# Allegro board GPS_INTERFACE_BOARD_v24_test_SFP_.brd (continued)
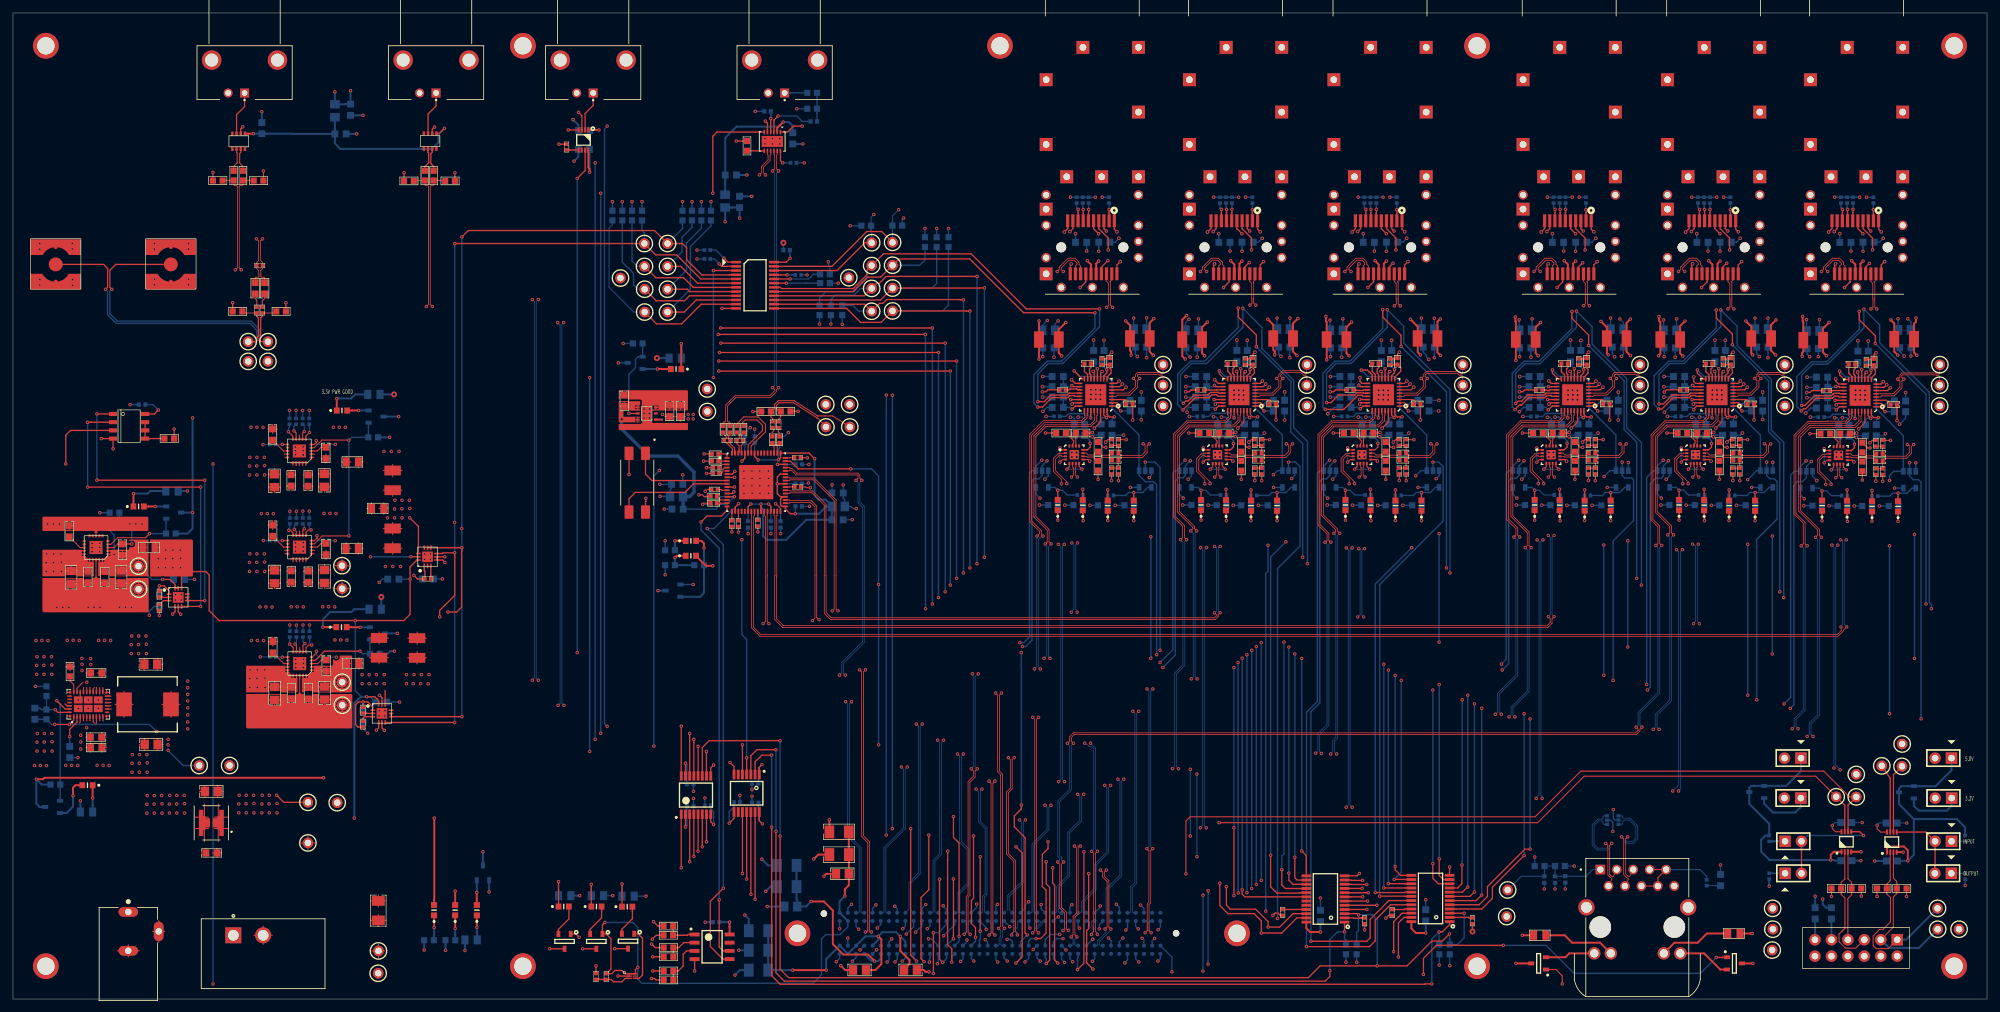
[diagram p0: board, top side]
## Routing (per net, layer and track width the routed paths; a pad name or vN(x,y) marks a point on that pad's centre or on a via; arc(x,y) is an arc through that point) (continued)
VREF_SFP INTERFACE_SFP6: length 2.9
  TOP w0.203: U43.3 171.77,92.65 171.89,92.53 C269.1
N00534: length 4.4
  BOTTOM w0.203: R2.2 R4.1 124.14,136.89 124.15,136.89 C1.1
N00638: length 3.2
  TOP w0.203: U1.4 v1(117,136.06)
  BOTTOM w0.203: v1(117,136.06) 117,136.6 117.01,136.61 C3.1
N01590: length 2.7
  TOP w0.203: R9.1 115.63,131.1 115.64,131.09 U1.7
N02344: length 3.7
  TOP w0.203: R11.1 64.97,128.67 64.52,129.12 64.52,130.66 64.74,130.87 U2.7
N02878: length 1.9
  TOP w0.203: IC1.5 86.01,131.22 86,131.22 R10.2
N89867: length 1.4
  TOP w0.165: R21.2 115.01,74.77 115.01,74.77 IC2.25
N89871: length 1.8
  TOP w0.165: IC2.4 109.86,82.13 109.61,81.88 109.61,81.48 109.39,81.25 R20.2
N89889: length 1.5
  TOP w0.165: R22.2 109.01,82.14 109.5,82.63 IC2.3
N89893: length 1.4
  TOP w0.165: IC2.48 119.89,83.63 119.92,83.67 R19.2
N90109: length 1.5
  TOP w0.165: R26.2 112.01,74.47 112.01,74.47 IC2.19
N90113: length 1.5
  TOP w0.165: R25.2 111,74.47 111.01,74.48 IC2.17
N90529: length 1.5
  TOP w0.165: R23.2 109.29,78.77 109.42,78.63 IC2.11
N91101: length 9.4
  TOP w0.165: IC2.59 113.51,85.65 115.72,87.86 115.72,88.65 114.87,89.5 113.04,89.5 112.68,89.13 112.68,88.9 112.85,88.72 C36.1
N91105: length 11
  TOP w0.165: IC2.58 113.97,84.42 113.97,85.45 116.19,87.67 116.19,88.84 115.06,89.97 112.85,89.97 111.79,88.9 C37.1
N107878: length 1.5
  TOP w0.165: IC2.39 119.87,79.13 119.88,79.15 R24.2
N127138: length 8.1
  TOP w0.203: v1(118.14,136.47) 117.52,135.86 117.52,135.84 117.5,135.82 U1.3
  BOTTOM w0.203: C1.2 121.87,135.64 121.03,136.47 v1(118.14,136.47)
N140138: length 9.8
  TOP w0.165: 15.11,46.3 15.1,46.32 U6.15 ; 15.77,45.54 L6.1 ; L6.1 17.16,43.51 ; L6.1 18.55,45.54 ; L6.1 17.16,47.57 ; U6.12 15.12,44.82 15.14,44.83 ; 15.11,46.81 15.11,46.82 U6.16 ; U6.14 15.11,45.82 15.11,45.82 ; U6.13 15.11,45.32 15.11,45.31
N146225: length 17.3
  TOP w0.165: 46.07,68.52 U9.1 46.5,68.85 ; 50.8,65.98 TP17.1 ; TP17.1 49.8,66.98 ; TP17.1 50.8,67.98 ; TP17.1 51.8,66.98 ; 51.42,68.77 R52.1 ; R52.1 50.7,69.65 ; R52.1 52.15,69.65 ; R52.1 51.42,70.53 ; C64.1 49.05,68.68 ; C64.1 48.34,67.98 ; C64.1 47.62,68.68 ; C64.1 48.34,69.38 ; 45.58,68.03 U9.20 45.25,67.6 ; C62.1 45.59,66.85 ; C62.1 46.31,66.14 ; C62.1 44.87,66.14 ; U9.19 44.75,67.6 44.75,67.59 ; C63.1 48.11,67.13 ; C63.1 47.18,66.3 ; C63.1 49.04,66.3 ; 46.53,69.32 46.5,69.35 U9.2
N146320: length 2.4
  TOP w0.17: v1(46.02,72.52) 46,72.49 45.6,72.49 45.25,72.14 U9.6
  BOTTOM w0.17: v1(46.02,72.52) 45.75,72.8 R63.1
N146332: length 1.9
  TOP w0.17: U9.11 v1(41.59,70.85)
  BOTTOM w0.17: R65.1 41.02,70.87 41.03,70.85 v1(41.59,70.85)
N146446: length 2.3
  TOP w0.17: v1(42.6,72.44) 42.86,72.44 43.25,72.06 U9.10
  BOTTOM w0.17: v1(42.6,72.44) 42.6,72.67 42.75,72.82 R64.1
N169083: length 3.9
  TOP w0.305: D11.1 v1(65.02,11.05)
  BOTTOM w0.305: v1(65.02,11.05) 65.02,9.88 64.99,9.85 R68.1
N169234: length 3.9
  TOP w0.305: D12.1 v1(68.28,10.9)
  BOTTOM w0.305: v1(68.28,10.9) 68.28,9.86 68.29,9.85 R69.1
N179430: length 1.7
  TOP w0.165: IC2.51 117.51,85.68 C34.1
N179442: length 1.8
  TOP w0.165: IC2.50 118.01,85.58 C35.1 118.36,85.99
N180853: length 1.5
  TOP w0.165: C34.2 117.25,87.6 117.45,87.81 117.45,88.2 R27.1
N180901: length 1.5
  TOP w0.165: R28.1 118.18,88.27 118.18,87.65 118.36,87.46 C35.2
N183488: length 98.4
  TOP w0.127: v1(37.6,117.49) 37.92,117.17 37.92,114.13 37.65,113.85 R5.1 37.65,112.87 37.95,112.57 37.95,111.89 37.97,111.87 37.97,111.69 37.84,111.56 37.52,111.56 37.39,111.44 C2.1 ; v1(115.25,127.37) 115.57,127.69 115.57,128.68 116.59,129.7 116.59,130.41 116.5,130.51 U1.8
  L5 w0.127: v1(115.25,127.37) 115.52,127.1 115.52,127.1 115.52,120.12 114,118.59 38.55,118.59 38,118.05 38,117.9 v1(37.6,117.49)
N183510: length 2.2
  TOP w0.165: R3.1 37.64,108 37.39,108.26 C2.2
N183546: length 2.2
  TOP w0.165: C4.2 38.86,108.26 38.51,107.9 R6.1
N185241: length 13.3
  TOP w0.165: C75.1 49.03,83.54 ; C75.1 47.59,83.54 ; C75.1 48.31,84.24 ; C75.1 48.31,82.84 ; 45.22,82.46 U11.20 45.55,82.89 ; 47.15,81.16 C73.1 ; C73.1 48.08,81.99 ; C73.1 49.01,81.16 ; C72.1 46.29,81 ; C72.1 45.57,81.71 ; C72.1 44.85,81 ; 44.73,82.45 44.72,82.46 U11.19 ; R54.2 52.18,83.01 ; R54.2 51.45,83.89 ; R54.2 51.45,82.13 ; R54.2 50.72,83.01 ; 46.04,83.38 U11.1 46.47,83.71 ; U11.2 46.47,84.21 46.51,84.18
N199881: length 4.9
  TOP w0.203: Q8.2 84.22,10.77 85.84,12.39 D9.2
N199921: length 6
  TOP w0.203: D9.1 v1(84.24,18.15)
  BOTTOM w0.203: v1(84.24,18.15) 84.24,16.91 84.24,16.91 R66.1
N224328: length 157.6
  TOP w0.203: U23.16 282.77,95.74 282.04,96.47 v1(282.04,97.03) ; IC11.4 222.8,13.92 226.8,13.92 228.42,15.54 228.42,17.28 v1(233.32,22.17)
  L5 w0.203: v1(289.74,44.09) v1(233.32,44.09) ; v1(289.74,70.05) v1(289.74,80.14)
  BOTTOM w0.203: v1(289.74,70.05) v1(289.74,44.09) ; v1(233.32,44.09) v1(233.32,22.17) ; v1(282.04,97.03) 282.96,96.11 286.92,96.11 287.71,95.33 287.71,91.24 291.87,87.07 291.87,82.29 291.88,82.28 U25.1 290.4,81.56 289.74,80.9 v1(289.74,80.14)
N224332: length 160.3
  TOP w0.203: U23.22 v1(281.33,92.54) ; IC11.5 222.8,14.57 222.81,14.58 226.39,14.58 227.66,15.85 227.66,17.37 233.45,23.16 v1(234.24,23.16)
  L4 w0.165: v1(281.33,92.54) 281.85,93.07 290.75,93.07 291.97,91.85 291.97,83.74 v1(292.84,82.88)
  L5 w0.203: v1(294.61,43.31) v1(234.24,43.31)
  BOTTOM w0.203: v1(234.24,43.31) v1(234.24,23.16) ; v1(292.84,82.88) U25.2 292.84,80.82 293.4,80.26 294.21,80.26 294.61,79.87 294.61,44.01 294.61,44.01 v1(294.61,43.31)
N224336: length 173
  TOP w0.203: v1(225.65,16.56) 224.96,15.87 IC11.7 ; J18.2 287.26,121.49 287.25,121.5 v1(287.25,122)
  L5 w0.203: v1(276.86,83.18) 276.86,85.7 275.26,87.29 275.26,87.97 275.23,88.01 275.23,115.29 275.39,115.45 275.39,115.47 278.97,119.05 278.97,121.82 279.86,122.71 286.54,122.71 v1(287.25,122) ; v1(225.65,45.62) v1(273.46,45.62)
  BOTTOM w0.203: R124.2 v1(287.25,122) ; v1(273.46,45.62) 274.47,46.63 274.47,80.98 275.06,81.56 U24.1 275.96,82.28 v1(276.86,83.18) ; v1(225.65,45.62) v1(225.65,16.56)
N224340: length 168.9
  TOP w0.203: v1(282.47,122.05) 282.47,121.52 282.46,121.5 J18.8 ; v1(226.77,16.08) 225.91,15.21 222.81,15.21 222.8,15.22 IC11.6
  L5 w0.203: v1(282.47,122.05) 279.73,122.05 279.35,121.67 279.35,118.9 275.59,115.14 275.59,88.16 277.67,86.07 v1(277.67,83.08) ; v1(274.42,44.93) v1(226.77,44.93)
  BOTTOM w0.203: v1(274.42,44.93) 274.98,45.49 274.98,79.43 275.54,79.98 276.32,79.98 276.91,80.57 U24.2 276.91,82.32 v1(277.67,83.08) ; v1(226.77,44.93) v1(226.77,16.08) ; v1(282.47,122.05) 282.24,122.28 R125.2
N224392: length 122.2
  TOP w0.203: U31.16 238.57,95.85 237.69,96.72 v1(237.69,97.23) ; IC11.13 214.26,19.12 213.41,19.96 v1(213.41,20.5)
  L5 w0.203: v1(245.62,70.18) 245.62,79.29 245.67,79.33 v1(245.67,80.77) ; v1(245.62,50.04) 245.13,50.04 245.1,50.01 v1(213.41,50.01)
  BOTTOM w0.203: v1(245.67,80.77) 246.56,81.66 U33.1 247.51,82.38 247.5,82.39 247.5,87.17 243.33,91.34 243.33,95.43 242.54,96.22 238.71,96.22 v1(237.69,97.23) ; v1(245.62,70.18) v1(245.62,50.04) ; v1(213.41,50.01) v1(213.41,20.5)
N224396: length 121.8
  TOP w0.203: U31.22 v1(236.96,92.65) ; IC11.14 214.94,18.47 214.92,18.49 v1(213.26,18.49)
  L5 w0.203: v1(248.46,82.98) 247.09,84.35 247.09,87.58 243.38,91.29 239.04,91.29 237.68,92.65 v1(236.96,92.65) ; v1(247.07,49.25) v1(214.35,49.25)
  BOTTOM w0.203: v1(247.07,49.25) 247.07,70.79 250.22,73.94 250.22,80.24 249.94,80.52 248.87,80.52 248.46,80.92 U33.2 v1(248.46,82.98) ; v1(214.35,49.25) 214.35,19.58 v1(213.26,18.49)
N224400: length 142.6
  TOP w0.203: J20.2 242.88,121.49 242.87,121.5 v1(242.87,122) ; v1(211.66,17.17) 214.94,17.17 214.94,17.17 IC11.16
  L5 w0.203: v1(232.49,83.28) 232.49,85.7 230.71,87.48 230.71,115.09 234.59,118.98 234.59,121.82 235.48,122.71 242.16,122.71 v1(242.87,122) ; v1(229.82,51.77) v1(211.66,51.77)
  BOTTOM w0.203: v1(211.66,51.77) v1(211.66,17.17) ; v1(232.49,83.28) 231.58,82.38 U32.1 231,81.66 230.56,81.22 230.56,52.5 v1(229.82,51.77) ; R166.2 v1(242.87,122)
N224404: length 135.4
  TOP w0.203: v1(238.1,122.05) 238.1,121.52 238.08,121.5 J20.8 ; IC11.15 214.94,17.82 214.93,17.83 v1(212.37,17.83)
  L5 w0.203: v1(238.1,122.05) 235.36,122.05 234.96,121.65 234.96,118.7 231.22,114.96 231.22,87.68 233.3,85.6 v1(233.3,83.19) ; v1(229.95,50.85) v1(212.37,50.85)
  BOTTOM w0.203: v1(229.95,50.85) 230.94,51.84 230.94,80.11 231.29,80.47 232.08,80.47 232.54,80.92 U32.2 232.54,82.42 v1(233.3,83.19) ; R167.2 237.87,122.28 v1(238.1,122.05) ; v1(212.37,50.85) v1(212.37,17.83)
N224424: length 99.4
  TOP w0.203: v1(208.18,97.21) 209.13,97.21 209.86,96.47 U35.16 ; v1(210.34,16.46) 214.88,16.46 214.94,16.52 IC11.17
  L5 w0.203: v1(215.95,69.75) 215.95,80.24 v1(216.59,80.87)
  BOTTOM w0.203: v1(210.34,16.46) 210.34,64.14 v1(215.95,69.75) ; v1(216.59,80.87) 217.37,81.66 U37.1 218.3,82.38 218.29,82.39 218.29,87.17 214.12,91.34 214.12,95.43 213.33,96.22 209.17,96.22 v1(208.18,97.21)
N224428: length 97
  TOP w0.203: U35.22 208.44,92.65 208.42,92.66 v1(207.92,92.66) ; IC11.18 214.94,15.87 214.91,15.9 v1(211.02,15.9)
  L5 w0.203: v1(207.92,92.66) 208.42,92.66 208.44,92.65 208.57,92.65 209.93,91.29 214.15,91.29 218.39,87.05 218.39,83.85 v1(219.25,82.98)
  BOTTOM w0.203: v1(211.02,15.9) 211.02,64.07 216.48,69.53 216.48,69.54 220.82,73.88 220.82,82.28 220.12,82.98 v1(219.25,82.98) U37.2
N224432: length 150.2
  TOP w0.203: v1(213.66,122) 213.66,121.5 213.67,121.49 J21.2 ; IC11.20 212.69,14.57 210.34,12.22 210.34,8.99 209.45,8.1 v1(199.72,8.1)
  L5 w0.203: v1(213.66,122) 212.95,122.71 206.27,122.71 205.38,121.82 205.38,119.08 201.63,115.32 201.63,87.35 203.28,85.7 v1(203.28,83.28)
  BOTTOM w0.203: R187.2 v1(213.66,122) ; v1(199.72,8.1) 199.72,44.32 201.4,46 201.4,78.3 201.39,78.3 201.39,81.26 201.79,81.66 U36.1 202.37,82.38 v1(203.28,83.28)
N224436: length 143
  TOP w0.203: v1(200.4,8.94) 209.04,8.94 209.55,9.45 209.55,12.32 212.45,15.22 IC11.19 ; v1(208.89,122.05) 208.89,121.52 208.87,121.5 J21.8
  L5 w0.203: v1(208.89,122.05) 206.15,122.05 205.77,121.67 205.77,118.9 202.01,115.14 202.01,87.68 204.09,85.6 v1(204.09,83.19)
  BOTTOM w0.203: v1(200.4,8.94) 200.4,44.39 201.78,45.77 201.78,78.43 201.76,78.45 201.76,79.94 202.21,80.39 202.79,80.39 203.33,80.92 U36.2 203.33,82.42 v1(204.09,83.19) ; v1(208.89,122.05) 208.66,122.28 R188.2
N224456: length 112.6
  TOP w0.165: U39.16 187.04,95.85 186.26,96.63 v1(186.26,97.1)
  TOP w0.203: IC9.4 206.57,13.84 v1(209.04,13.84)
  L5 w0.203: v1(209.04,13.84) 208.79,13.59 v1(193.43,13.59) ; v1(193.78,70.13) 193.78,80.19 v1(194.61,81.03)
  BOTTOM w0.203: v1(193.78,70.13) 193.78,66.1 193.43,65.76 v1(193.43,13.59) ; v1(186.26,97.1) 187.15,96.22 191.03,96.22 191.82,95.43 191.82,91.34 195.99,87.17 195.99,82.39 196,82.38 U41.1 195.25,81.66 v1(194.61,81.03)
N224460: length 114.7
  TOP w0.203: IC9.5 v1(210.59,14.49) ; U39.22 v1(185.45,92.65)
  L5 w0.203: v1(196.95,82.98) 195.61,84.33 195.61,87.58 191.92,91.26 187.53,91.26 186.14,92.65 v1(185.45,92.65) ; v1(210.59,14.49) 208.54,12.45 195.9,12.45 195.87,12.47 v1(195.25,12.47)
  BOTTOM w0.203: U41.2 v1(196.95,82.98) 198.02,82.98 198.73,82.27 198.73,70.03 195.25,66.55 v1(195.25,12.47)
N224464: length 156.5
  TOP w0.203: J22.2 191.37,121.49 191.36,121.5 v1(191.36,122) ; v1(208.41,15.8) 206.57,15.8 206.57,15.79 IC9.7
  L5 w0.203: v1(189.2,16.41) 189.2,15.91 190.18,14.94 207.54,14.94 v1(208.41,15.8) ; v1(177.11,52.02) v1(189.15,52.02) ; v1(180.98,83.28) 180.98,85.7 179.48,87.2 179.48,115.44 183.08,119.05 183.08,121.82 183.97,122.71 190.65,122.71 v1(191.36,122)
  BOTTOM w0.203: v1(189.2,16.41) 189.2,16.9 189.15,16.95 v1(189.15,52.02) ; R208.2 v1(191.36,122) ; v1(177.11,52.02) 179.09,54 179.09,81.28 179.48,81.66 U40.1 180.07,82.38 v1(180.98,83.28)
N224468: length 152.8
  TOP w0.203: v1(188.52,26.49) v1(188.52,16) ; v1(209.14,15.14) 206.57,15.14 206.57,15.14 IC9.6 ; v1(186.59,122.05) 186.59,121.52 186.57,121.5 J22.8
  L5 w0.203: v1(177.55,51.23) v1(188.52,51.23) ; v1(181.79,83.19) 181.79,85.6 179.91,87.48 179.91,115.34 183.46,118.9 183.46,121.67 183.85,122.05 v1(186.59,122.05) ; v1(188.52,16) 188.52,15.51 189.83,14.2 208.2,14.2 v1(209.14,15.14)
  BOTTOM w0.203: v1(181.79,83.19) 181.03,82.42 U40.2 181.03,80.92 180.67,80.57 179.96,80.57 179.46,80.07 179.46,53.14 v1(177.55,51.23) ; R209.2 186.36,122.28 v1(186.59,122.05) ; v1(188.52,51.23) v1(188.52,26.49)
N224484: length 127.6
  TOP w0.203: v1(209.25,16.43) 206.58,16.43 206.57,16.44 IC9.8 ; U43.16 165.08,95.85 v1(163.84,97.09)
  L5 w0.203: v1(190.53,16.43) v1(209.25,16.43) ; v1(176.59,53.21) v1(190.53,53.21)
  BOTTOM w0.203: v1(190.53,53.21) v1(190.53,16.43) ; v1(176.59,53.21) 176.59,79.5 176.24,79.84 176.19,79.84 176.1,79.93 174.87,79.93 173.88,80.92 U45.1 173.88,82.38 173.86,82.39 173.86,87.17 169.7,91.34 169.7,95.43 168.91,96.22 164.71,96.22 v1(163.84,97.09)
N224488: length 121.7
  TOP w0.203: v1(208.31,17.09) 206.57,17.09 IC9.9 ; U43.22 v1(163.32,92.65)
  L5 w0.203: v1(191.26,17.09) v1(208.31,17.09) ; v1(163.32,92.65) 164.02,92.65 165.4,91.26 169.75,91.26 173.46,87.55 173.46,84.35 v1(174.83,82.98) ; v1(177.11,53.9) v1(191.26,53.9)
  BOTTOM w0.203: v1(177.11,53.9) 177.11,82.17 176.3,82.98 v1(174.83,82.98) U45.2 ; v1(191.26,53.9) v1(191.26,17.09)
N224492: length 175.3
  TOP w0.203: v1(208.38,18.34) 206.62,18.34 206.57,18.39 IC9.11 ; v1(169.24,122) 169.24,121.5 169.25,121.49 J23.2
  L5 w0.203: v1(155.47,55.09) v1(192.74,55.09) ; v1(169.24,122) 168.53,122.71 161.85,122.71 160.96,121.82 160.96,119.03 157.22,115.29 157.22,87.33 158.85,85.7 v1(158.85,83.28) ; v1(192.74,18.34) v1(208.38,18.34)
  BOTTOM w0.165: R229.2 v1(169.24,122)
  BOTTOM w0.203: v1(155.47,55.09) 156.08,55.09 156.95,55.96 156.95,81.33 157.28,81.66 U44.1 157.95,82.38 v1(158.85,83.28) ; v1(192.74,55.09) v1(192.74,18.34)
N224496: length 171.4
  TOP w0.203: J23.8 164.45,121.5 164.47,121.52 v1(164.47,122.05) ; IC9.10 206.57,17.74 206.61,17.7 v1(209.04,17.7)
  L5 w0.203: v1(159.66,83.19) 159.66,86.07 157.58,88.16 157.58,115.14 161.34,118.9 161.34,121.67 161.72,122.05 v1(164.47,122.05) ; v1(191.97,17.7) v1(209.04,17.7) ; v1(155.88,54.48) v1(191.97,54.48)
  BOTTOM w0.165: R230.2 164.24,122.28 v1(164.47,122.05)
  BOTTOM w0.203: v1(159.66,83.19) 158.9,82.42 U44.2 158.9,80.92 158.37,80.39 157.63,80.39 157.33,80.09 157.33,55.44 156.38,54.48 v1(155.88,54.48) ; v1(191.97,54.48) v1(191.97,17.7)
N245271: length 3.5
  TOP w0.305: D5.2 20.94,76.12 20.95,76.13 v1(21.96,76.13)
  BOTTOM w0.305: Q4.2 v1(21.96,76.13)
N245311: length 7.2
  TOP w0.305: D5.1 v1(18.61,78.12)
  BOTTOM w0.305: v1(18.61,78.12) 20.82,78.12 21.21,78.51 R51.1
N245859: length 6.9
  TOP w0.305: v1(9.27,31.42) 9.27,32.66 9.65,33.05 D4.2
  BOTTOM w0.305: v1(9.27,31.42) 9.27,29.74 8.27,28.74 Q3.2
N245899: length 4.1
  TOP w0.305: D4.1 v1(12.31,31.05)
  BOTTOM w0.305: v1(12.31,31.05) 12.31,29.89 12.3,29.88 R44.1
N246142: length 3.3
  TOP w0.305: v1(53.35,90.97) 52.34,90.97 52.33,90.96 D6.2
  BOTTOM w0.305: Q5.2 v1(53.35,90.97)
N246182: length 6.9
  TOP w0.305: D6.1 v1(50,92.82)
  BOTTOM w0.305: v1(50,92.82) 52.24,92.82 52.86,93.45 R57.1
N266416: length 152
  TOP w0.203: IC11.11 220.84,18.47 220.22,19.09 v1(220.22,21.67) ; v1(265.18,122) 265.18,121.5 265.19,121.49 J19.2
  L5 w0.203: v1(265.18,122) 264.46,122.71 257.78,122.71 256.9,121.82 256.9,119.05 253.03,115.19 253.03,87.45 254.79,85.7 v1(254.79,83.28) ; v1(252.25,48.62) v1(220.22,48.62)
  BOTTOM w0.203: v1(220.22,48.62) v1(220.22,21.67) ; R145.2 v1(265.18,122) ; v1(252.25,48.62) 252.25,80.61 253.3,81.66 U28.1 253.89,82.38 v1(254.79,83.28)
N266420: length 149.4
  TOP w0.203: J19.8 260.39,121.5 260.4,121.52 v1(260.4,122.05) ; v1(219.23,20.93) 219.23,18.67 220.08,17.82 IC11.10
  L5 w0.203: v1(252.37,47.75) v1(219.23,47.75) ; v1(255.6,83.19) 255.6,86.07 253.55,88.13 253.55,115.17 257.28,118.9 257.28,121.67 257.66,122.05 v1(260.4,122.05)
  BOTTOM w0.203: v1(219.23,47.75) v1(219.23,20.93) ; R146.2 260.17,122.28 v1(260.4,122.05) ; v1(255.6,83.19) 254.84,82.42 U28.2 254.84,80.85 254.48,80.49 253.62,80.49 252.81,79.68 252.81,48.18 v1(252.37,47.75)
N267255: length 135.8
  TOP w0.203: IC11.8 223.81,16.52 v1(224.61,17.32) ; v1(260.07,97.23) 260.07,96.74 260.96,95.85 U27.16
  L5 w0.203: v1(267.84,46.96) v1(224.61,46.96) ; v1(267.84,80.28) v1(267.84,70.28)
  BOTTOM w0.203: v1(224.61,46.96) v1(224.61,17.32) ; v1(260.07,97.23) 261.09,96.22 264.85,96.22 265.63,95.43 265.63,91.34 269.8,87.17 269.8,82.39 269.81,82.38 U29.1 269.23,81.66 v1(267.84,80.28) ; v1(267.84,70.28) v1(267.84,46.96)
N267259: length 134
  TOP w0.203: v1(223.72,20.73) 223.72,17.83 223.06,17.17 IC11.9 ; U27.22 v1(259.26,92.65)
  L5 w0.203: v1(269.24,46.25) v1(223.77,46.25) ; v1(270.76,82.98) 269.45,84.3 269.45,87.52 265.71,91.26 261.29,91.26 259.91,92.65 v1(259.26,92.65)
  BOTTOM w0.203: v1(270.76,82.98) U29.2 270.76,80.92 271.27,80.42 271.96,80.42 272.39,79.98 272.39,74.19 269.24,71.04 v1(269.24,46.25) ; v1(223.77,46.25) 223.77,21.27 223.72,21.22 v1(223.72,20.73)
N280018: length 3.6
  TOP w0.305: v1(53.6,57.46) 52.27,57.46 52.25,57.48 D7.2
  BOTTOM w0.305: Q6.2 v1(53.6,57.46)
N280022: length 11.1
  TOP w0.305: D7.1 v1(47.85,57.48)
  BOTTOM w0.305: R62.1 52.7,60.25 52.27,59.82 48.97,59.82 47.85,58.7 v1(47.85,57.48)
N304882: length 5.1
  TOP w0.203: U6.2 9.88,42.81 8.76,41.69 v1(8.76,40.56)
  BOTTOM w0.203: C17.1 v1(8.76,40.56)
N322365: length 2.9
  TOP w0.17: U9.5 46.53,70.85 46.94,71.26 v1(46.94,71.6)
  BOTTOM w0.17: R70.1 47.22,70.84 46.94,71.12 v1(46.94,71.6)
N322369: length 2
  TOP w0.17: v1(44.98,72.67) 44.75,72.43 U9.7
  BOTTOM w0.17: v1(44.98,72.67) 44.98,73.21 R112.1
N322373: length 2
  TOP w0.17: v1(43.43,72.59) 43.75,72.28 U9.9
  BOTTOM w0.17: v1(43.43,72.59) 43.43,73.11 R113.1
N323562: length 2.7
  TOP w0.17: U11.5 46.51,85.71 46.84,86.04 v1(46.84,86.31)
  BOTTOM w0.17: v1(46.84,86.31) 46.84,85.86 46.97,85.72 R114.1
N323566: length 2.5
  TOP w0.17: v1(45.78,87.55) 45.22,87 U11.6
  BOTTOM w0.17: R115.1 45.75,88.34 45.78,88.31 v1(45.78,87.55)
N323570: length 2.5
  TOP w0.17: U11.7 44.72,87.44 v1(44.98,87.71)
  BOTTOM w0.17: v1(44.98,87.71) 44.98,88.58 R118.1
N323574: length 2.6
  TOP w0.17: U11.9 43.72,87.47 v1(43.38,87.81)
  BOTTOM w0.17: R255.1 43.38,88.5 v1(43.38,87.81)
N323578: length 2.7
  TOP w0.17: v1(42.54,87.68) 43.22,87 U11.10
  BOTTOM w0.17: v1(42.54,87.68) 42.54,88.18 42.7,88.34 R256.1
N323582: length 1.9
  TOP w0.17: U11.11 v1(41.59,85.71)
  BOTTOM w0.17: v1(41.59,85.71) 41.03,85.71 41.02,85.7 R257.1
N324301: length 98.4
  TOP w0.127: U1.9 117,130.51 116.9,130.41 116.9,129.57 115.87,128.55 115.87,127.69 v1(116.19,127.37) ; v1(38.54,117.49) 38.54,117.42 38.41,117.29 38.33,117.29 38.2,117.16 38.2,114.2 38.55,113.85 R5.2 38.55,112.87 38.25,112.57 38.25,112.02 38.28,112 38.28,111.69 38.41,111.56 38.73,111.56 38.86,111.44 C4.1
  L5 w0.127: v1(38.54,117.49) 38.28,117.75 38.28,117.93 38.66,118.31 114.11,118.31 115.8,120 115.8,126.98 v1(116.19,127.37)
N325169: length 3
  TOP w0.17: v1(46.13,54.71) 45.65,54.71 45.27,54.34 U12.6
  BOTTOM w0.165: R259.1 45.8,55.45 45.82,55.43 45.82,55.02 v1(46.13,54.71)
N325173: length 2.5
  TOP w0.17: U12.7 44.77,54.63 v1(45.09,54.94)
  BOTTOM w0.17: R260.1 44.78,55.24 v1(45.09,54.94)
N325177: length 2.5
  TOP w0.17: v1(43.56,54.86) 43.77,54.65 U12.9
  BOTTOM w0.17: v1(43.56,54.86) 43.77,55.08 43.77,55.44 43.76,55.45 R261.1
N325181: length 2.5
  TOP w0.17: v1(42.72,54.86) 43.27,54.31 U12.10
  BOTTOM w0.17: v1(42.72,54.86) 42.72,55.43 42.75,55.45 R262.1
N325185: length 1.9
  TOP w0.17: U12.11 v1(41.6,52.84)
  BOTTOM w0.17: v1(41.6,52.84) 41.09,52.84 41.04,52.88 R263.1
N325191: length 3
  TOP w0.17: v1(46.86,53.75) 46.86,53.51 46.19,52.84 U12.5
  BOTTOM w0.17: R258.1 47.27,52.83 46.86,53.24 v1(46.86,53.75)
N325916: length 3.7
  TOP w0.165: R15.1 35.51,128.69 35,129.2 35,130.67 35.17,130.85 U3.7
N325952: length 3.6
  TOP w0.165: R16.1 34.09,128.69 34.62,129.22 34.62,130.75 34.52,130.85 U3.6
N326883: length 1.6
  TOP w0.165: IC2.15 109.26,76.63 109.26,76.63 C33.2
N326887: length 1.8
  TOP w0.165: IC2.14 109.27,77.13 108.7,77.7 C32.2
N326891: length 1.4
  TOP w0.165: C31.2 109.43,83.13 109.43,83.13 IC2.2
N326895: length 1.8
  TOP w0.165: IC2.1 110.26,83.99 110,84.25 C30.2 108.88,84.25
N334368: length 16.2
  TOP w0.203: IC2.8 98.66,80.13 97.66,81.13 U14.1
N334392: length 21.3
  TOP w0.203: IC2.7 v1(111.42,80.63) ; v1(95.12,81.05) U14.2
  L5 w0.203: v1(95.12,81.05) 96.01,80.16 109.12,80.16 109.59,80.63 v1(111.42,80.63)
N334434: length 17.7
  TOP w0.203: v1(97.71,77.39) 97.71,76.9 97.66,76.85 U14.4 ; IC2.10 v1(111.4,79.13)
  L5 w0.203: v1(97.71,77.39) 98.62,78.3 103.64,78.3 104.48,79.13 v1(111.4,79.13)
N339027: length 12.9
  TOP w0.305: v1(106.69,69.71) 106.69,70.42 106.3,70.82 D2.2
  BOTTOM w0.305: v1(106.69,69.71) R32.1 106.69,62.78 106.09,62.17 Q1.2
N339674: length 5.9
  TOP w0.305: D1.1 102.49,68.5 v1(102.21,68.22)
  BOTTOM w0.305: v1(102.21,68.22) 102.21,67.07 R33.1 R32.2
N339693: length 3.1
  TOP w0.305: D2.1 v1(102.21,70.82)
  BOTTOM w0.305: v1(102.21,70.82) 102.21,70.13 102.2,70.12 R34.1
N341781: length 3.7
  TOP w0.203: U2.6 64.09,130.87 64.19,130.78 64.19,129.25 63.6,128.67 R12.1
N350589: length 2.1
  BOTTOM w0.203: J15.1 300.41,19.43 300.41,19.42 R110.1
N350593: length 2.1
  BOTTOM w0.203: R111.1 300.45,24.37 300.43,24.38 J16.1
N352210: length 2.4
  BOTTOM w0.203: R106.1 271.7,19.45 271.72,19.43 J11.1
N352214: length 2.4
  BOTTOM w0.305: J12.1 271.72,24.38 271.7,24.37 R107.1
N437368: length 15.4
  TOP w0.17: J17.P7 J17.P9 253.97,18.74 J17.P8 J17.P6
  BOTTOM w0.17: R254.2 261.52,18.95 260.45,20.01 J17.P9
N437754: length 11.2
  TOP w0.305: R43.2 239.6,9.86 240.74,8.71 245.06,8.71 J17.P12
N437768: length 11.1
  TOP w0.305: J17.P13 256.54,8.71 260.12,8.71 261.54,10.13 R39.2
N575036: length 4.8
  TOP w0.203: v1(109.78,114.5) 110.39,113.89 U19.1
  BOTTOM w0.203: v1(109.78,114.5) 108.53,115.75 R93.1
N575058: length 4.5
  TOP w0.203: v1(109.04,113.61) 109.42,113.24 U19.2
  BOTTOM w0.203: v1(109.04,113.61) 108.28,114.38 R94.1
N575080: length 3.3
  TOP w0.203: U19.21 118.49,111.94 118.51,111.91 v1(119.51,111.91)
  BOTTOM w0.203: R95.1 v1(119.51,111.91)
N575210: length 7.4
  TOP w0.203: U19.20 v1(119.98,111.29)
  BOTTOM w0.203: v1(119.98,111.29) 122.84,111.29 123.57,112.01 R102.1
N575230: length 7.1
  TOP w0.203: U19.19 v1(119.4,110.64)
  BOTTOM w0.203: R103.1 122.41,110.64 122.41,110.64 v1(119.4,110.64)
N576735: length 5.6
  TOP w0.203: v1(110.59,27.18) 111.33,27.92 U17.8
  BOTTOM w0.203: R81.1 111.34,29.7 110.59,28.96 v1(110.59,27.18)
N576751: length 4.9
  TOP w0.203: v1(108.18,26.97) 107.74,27.42 U18.8
  BOTTOM w0.203: R82.1 107.74,29.39 108.18,28.95 v1(108.18,26.97)
N634677: length 3.8
  TOP w0.305: v1(71.62,16.5) 71.62,15.28 71.63,15.27 D10.2
  BOTTOM w0.305: Q9.2 v1(71.62,16.5)
N634717: length 3.8
  TOP w0.305: D10.1 v1(71.63,11.07)
  BOTTOM w0.305: v1(71.63,11.07) 71.63,10.18 71.69,10.12 R67.1
N635255: length 4.4
  TOP w0.305: D8.2 100.86,97.36 100.84,97.37 v1(99.51,97.37)
  BOTTOM w0.305: Q7.2 v1(99.51,97.37)
N635295: length 6.2
  TOP w0.305: D8.1 v1(103.19,101.28)
  BOTTOM w0.305: R37.1 103.21,100.04 103.19,100.06 v1(103.19,101.28)
N637994: length 4.9
  TOP w0.203: Q12.2 94.02,10.79 95.65,12.42 95.65,13.57 95.64,13.57 D15.2
N638034: length 5.4
  TOP w0.203: D15.1 v1(94.04,17.79)
  BOTTOM w0.203: R80.1 94.02,16.83 94.04,16.85 v1(94.04,17.79)
N638123: length 8.6
  TOP w0.203: U16.4 96.69,3.21 97.21,3.72 97.21,9.4 96.51,10.09 Q12.1
N638285: length 5.6
  TOP w0.203: U16.3 94.54,3.21 94.01,2.67 92.74,2.67 92.38,3.02 92.15,3.02 92.15,3.03 R78.2 90.57,3.03 90.55,3.06 R79.1
N638693: length 5
  TOP w0.203: D14.2 90.89,13.6 90.88,13.58 90.88,12.55 89.12,10.78 Q11.2
N638733: length 5.2
  TOP w0.203: D14.1 v1(89.29,17.74)
  BOTTOM w0.203: v1(89.29,17.74) 89.29,16.91 89.3,16.91 R74.1
N639616: length 18.1
  TOP w0.203: U14.3 95.12,77.32 96.11,78.31 103.76,78.31 105.08,79.63 IC2.9
N665913: length 2.1
  BOTTOM w0.17: R254.1 262.89,17.53 262.9,17.52 C123.2
N716142: length 8.8
  BOTTOM w0.305: Q2.2 270.39,30.19 271.75,28.83 275.18,28.83 276.05,29.69 J9.1
N716972: length 8.8
  BOTTOM w0.305: J25.1 299.34,29.87 298.58,29.11 294.26,29.11 293.5,29.86 Q13.2

## Copper pours and planes (outline as drawn; the poured copper is in the pictures)
12V_CONN on L3: 34.98,24.51 44.15,24.51 44.5,24.16 44.5,2.01 43.46,0.97 34.39,0.97 34.39,1 9,1 8,2 8,6.5 7,7.5 3,7.5 2,8.5 2,23.49 3,24.49 34.96,24.49
12V_FUSE on TOP: 30.73,27.18 61.01,27.18 61.47,26.72 61.47,14.15 61.01,13.69 31.39,13.69 30.73,14.35
12V_SW on TOP: 36.99,13.5 60.98,13.5 61.48,13 61.48,2 60.48,1 37.99,1 36.49,2.5 36.49,13
GND_IN on TOP: 2.49,27.18 30.48,27.18 30.48,1.99 29.49,1 9,1 8,2 8,6.5 7,7.5 3,7.5 2,8.5 2,26.69
GND_POWER on TOP (solid shape): 98.68,89.32 98.71,89.31 98.73,89.27 98.73,89.1 98.81,89.03 104.19,89.03 104.22,89 104.22,87.99 104.17,87.93 93.6,87.93 93.52,88.01 93.52,88.88 96.95,88.88 97.15,89.08 97.15,89.32 98.67,89.32
GND_POWER on TOP (solid shape): 20.9,74.5 20.9,72.42 20.84,72.39 20.79,72.36 20.76,72.34 13.13,72.34 13.06,72.26 13.06,72.05 12.97,72.05 12.97,71.98 12.68,71.98 12.68,72.05 12.6,72.05 12.6,72.26 12.52,72.34 4.62,72.34 4.55,72.42 4.55,73.7 8.02,73.7 8.02,72.65 8.02,72.64 8.03,72.6 8.05,72.58 8.07,72.55 8.1,72.54 8.13,72.53 8.15,72.53 9.23,72.53 9.24,72.53 9.28,72.54 9.3,72.55 9.33,72.58 9.35,72.6 9.35,72.64 9.35,72.65 9.35,73.7 9.35,73.72 9.35,73.75 9.33,73.78 9.3,73.81 9.28,73.82 9.24,73.83 9.23,73.83 8.15,73.83 8.13,73.83 8.1,73.82 8.07,73.81 8.05,73.78 8.03,73.75 8.02,73.72 8.02,73.7 4.55,73.7 4.55,74.45 4.65,74.55 20.85,74.55
GND_POWER on TOP (solid shape): 104.22,93.95 104.22,91.08 104.09,90.96 98.91,90.96 98.85,90.92 98.83,90.92 98.82,90.92 98.8,90.94 98.8,91.1 98.82,91.12 98.84,91.14 98.86,91.15 98.89,91.16 99.57,91.15 99.58,91.15 99.62,91.16 99.64,91.17 99.67,91.2 99.68,91.23 99.69,91.26 99.69,91.28 99.69,91.63 99.69,91.64 99.68,91.67 99.67,91.7 99.64,91.73 99.62,91.74 99.58,91.75 99.57,91.75 98.97,91.75 98.95,91.75 98.92,91.74 98.89,91.73 98.87,91.71 98.85,91.68 98.83,91.66 98.8,91.65 98.77,91.65 98.74,91.66 98.71,91.67 98.68,91.68 98.67,91.68 97.1,91.68 97.1,92.3 100.73,92.3 100.73,91.25 100.73,91.23 100.74,91.2 100.76,91.17 100.78,91.15 100.81,91.13 100.84,91.12 100.86,91.12 101.94,91.12 101.95,91.12 101.99,91.13 102.01,91.15 102.04,91.17 102.06,91.2 102.06,91.23 102.06,91.25 102.06,92.3 102.41,92.3 102.41,91.25 102.41,91.23 102.41,91.2 102.43,91.17 102.46,91.15 102.48,91.13 102.52,91.12 102.53,91.12 103.61,91.12 103.63,91.12 103.66,91.13 103.69,91.15 103.71,91.17 103.73,91.2 103.74,91.23 103.74,91.25 103.74,92.3 103.74,92.31 103.73,92.35 103.71,92.37 103.69,92.4 103.66,92.41 103.63,92.42 103.61,92.42 102.53,92.42 102.52,92.42 102.48,92.41 102.46,92.4 102.43,92.37 102.41,92.35 102.41,92.31 102.41,92.3 102.06,92.3 102.06,92.31 102.06,92.35 102.04,92.37 102.01,92.4 101.99,92.41 101.95,92.42 101.94,92.42 100.86,92.42 100.84,92.42 100.81,92.41 100.78,92.4 100.76,92.37 100.74,92.35 100.73,92.31 100.73,92.3 97.1,92.3 97.1,92.46 96.9,92.66 95.15,92.66 95.13,92.66 95.11,92.66 95.08,92.68 95.06,92.7 95.05,92.73 95.05,92.76 95.05,93.85 95.05,93.87 95.04,93.9 95.02,93.93 95,93.95 94.97,93.97 94.93,93.98 94.92,93.98 93.84,93.97 93.82,93.97 93.79,93.96 93.76,93.94 93.74,93.92 93.72,93.89 93.71,93.86 93.71,93.84 93.72,92.79 93.72,92.76 93.72,92.73 93.7,92.7 93.69,92.68 93.66,92.66 93.63,92.66 93.52,92.66 93.52,93.98 93.62,94.08 104.09,94.08
GND_POWER on TOP (solid shape): 12.91,65.3 13.03,65.18 13.03,65.15 13.11,65.07 13.43,65.07 13.45,65.07 13.48,65.07 13.5,65.05 13.52,65.02 13.53,65 13.54,64.97 13.53,64.94 13.51,64.91 13.51,64.88 13.51,64.86 13.51,63.81 13.51,63.79 13.51,63.76 13.53,63.73 13.56,63.71 13.58,63.69 13.62,63.68 13.63,63.68 14.71,63.68 14.73,63.68 14.76,63.69 14.79,63.71 14.81,63.73 14.83,63.76 14.84,63.79 14.84,63.81 14.84,64.86 14.84,64.88 14.83,64.91 14.82,64.94 14.81,64.97 14.81,65 14.83,65.02 14.84,65.05 14.87,65.07 14.9,65.07 14.91,65.07 15.73,65.07 15.74,65.07 15.77,65.07 15.8,65.05 15.82,65.03 15.83,65 15.83,64.97 15.83,64.94 15.81,64.88 15.81,63.58 15.81,63.56 15.82,63.53 15.84,63.5 15.86,63.48 15.89,63.46 15.92,63.45 15.94,63.45 17.44,63.45 17.45,63.45 17.49,63.46 17.52,63.48 17.54,63.5 17.56,63.53 17.56,63.56 17.57,63.58 17.57,64.88 17.55,64.94 17.54,64.97 17.55,65 17.56,65.03 17.58,65.05 17.6,65.07 17.63,65.07 17.65,65.07 20.83,65.07 20.95,64.95 20.95,59.89 20.83,59.77 4.7,59.77 4.55,59.92 4.55,63.35 18.45,63.35 18.46,63.26 18.47,63.17 18.49,63.09 18.52,63.01 18.55,62.93 18.59,62.85 18.64,62.78 18.69,62.71 18.76,62.65 18.82,62.59 18.89,62.54 18.97,62.5 19.05,62.47 19.13,62.44 19.21,62.41 19.3,62.4 19.38,62.39 19.47,62.4 19.56,62.41 19.64,62.42 19.72,62.45 19.81,62.48 19.88,62.52 19.96,62.57 20.02,62.62 20.09,62.68 20.14,62.75 20.2,62.82 20.24,62.89 20.28,62.97 20.31,63.05 20.33,63.13 20.35,63.22 20.36,63.3 20.36,63.39 20.35,63.48 20.33,63.56 20.31,63.65 20.28,63.73 20.24,63.81 20.2,63.88 20.14,63.95 20.09,64.01 20.02,64.07 19.96,64.13 19.88,64.17 19.81,64.21 19.72,64.25 19.64,64.27 19.56,64.29 19.47,64.3 19.38,64.3 19.3,64.29 19.21,64.28 19.13,64.26 19.05,64.23 18.97,64.19 18.89,64.15 18.82,64.1 18.76,64.04 18.69,63.98 18.64,63.91 18.59,63.84 18.55,63.77 18.52,63.69 18.49,63.6 18.47,63.52 18.46,63.43 18.45,63.35 4.55,63.35 4.55,64.83 8.09,64.83 8.09,63.53 8.09,63.51 8.1,63.48 8.11,63.45 8.14,63.42 8.17,63.41 8.2,63.4 8.22,63.4 9.72,63.4 9.73,63.4 9.77,63.41 9.79,63.42 9.82,63.45 9.83,63.48 9.84,63.51 9.84,63.53 9.84,64.83 9.84,64.84 9.83,64.88 9.82,64.9 9.79,64.93 9.77,64.94 9.73,64.95 9.72,64.95 8.22,64.95 8.2,64.95 8.17,64.94 8.14,64.93 8.11,64.9 8.1,64.88 8.09,64.84 8.09,64.83 4.55,64.83 4.55,65.02 4.6,65.07 10.8,65.07 10.85,65.07 10.87,65.05 10.89,65.03 10.9,65 10.91,64.98 10.89,64.89 10.89,63.84 10.89,63.82 10.9,63.79 10.92,63.76 10.94,63.74 10.97,63.72 11,63.71 11.02,63.71 12.1,63.71 12.11,63.71 12.15,63.72 12.17,63.74 12.2,63.76 12.22,63.79 12.22,63.82 12.22,63.84 12.22,64.89 12.21,64.98 12.21,65 12.22,65.03 12.24,65.05 12.27,65.07 12.5,65.07 12.52,65.08 12.75,65.3 12.75,67.57 12.91,67.57
GND_POWER on TOP (solid shape): 44.35,47.37 44.48,47.25 44.48,47.22 44.55,47.14 44.88,47.14 44.89,47.14 44.92,47.13 44.95,47.12 44.97,47.09 44.98,47.06 44.98,47.03 44.97,47 44.96,46.98 44.95,46.95 44.95,46.93 44.95,45.88 44.95,45.86 44.96,45.83 44.98,45.8 45,45.78 45.03,45.76 45.06,45.75 45.08,45.75 46.16,45.75 46.18,45.75 46.21,45.76 46.24,45.78 46.26,45.8 46.28,45.83 46.29,45.86 46.29,45.88 46.29,46.93 46.29,46.95 46.28,46.98 46.26,47 46.26,47.03 46.26,47.06 46.27,47.09 46.29,47.12 46.31,47.13 46.34,47.14 46.36,47.14 47.18,47.14 47.19,47.14 47.22,47.13 47.24,47.12 47.26,47.1 47.27,47.07 47.28,47.04 47.27,47.01 47.26,46.94 47.26,45.64 47.26,45.63 47.26,45.6 47.28,45.57 47.31,45.54 47.33,45.53 47.37,45.52 47.38,45.52 48.88,45.52 48.9,45.52 48.93,45.53 48.96,45.54 48.98,45.57 49,45.6 49.01,45.63 49.01,45.64 49.01,46.94 48.99,47.01 48.99,47.04 48.99,47.07 49,47.1 49.02,47.12 49.05,47.13 49.08,47.14 49.09,47.14 52.27,47.14 52.4,47.02 52.4,41.96 52.27,41.83 36.14,41.83 35.99,41.99 35.99,45.42 49.9,45.42 49.9,45.33 49.91,45.24 49.93,45.16 49.96,45.08 49.99,45 50.04,44.92 50.08,44.85 50.14,44.78 50.2,44.72 50.27,44.66 50.34,44.61 50.41,44.57 50.49,44.53 50.57,44.5 50.66,44.48 50.74,44.47 50.83,44.46 50.92,44.46 51,44.47 51.09,44.49 51.17,44.52 51.25,44.55 51.33,44.59 51.4,44.64 51.47,44.69 51.53,44.75 51.59,44.81 51.64,44.88 51.69,44.96 51.72,45.04 51.76,45.12 51.78,45.2 51.79,45.29 51.8,45.37 51.8,45.46 51.79,45.54 51.78,45.63 51.76,45.71 51.72,45.79 51.69,45.87 51.64,45.95 51.59,46.02 51.53,46.08 51.47,46.14 51.4,46.19 51.33,46.24 51.25,46.28 51.17,46.31 51.09,46.34 51,46.36 50.92,46.37 50.83,46.37 50.74,46.36 50.66,46.35 50.57,46.33 50.49,46.3 50.41,46.26 50.34,46.22 50.27,46.17 50.2,46.11 50.14,46.05 50.08,45.98 50.04,45.91 49.99,45.83 49.96,45.75 49.93,45.67 49.91,45.59 49.9,45.5 49.9,45.42 35.99,45.42 35.99,46.89 39.53,46.89 39.53,45.59 39.53,45.58 39.54,45.55 39.56,45.52 39.58,45.49 39.61,45.48 39.64,45.47 39.66,45.47 41.16,45.47 41.18,45.47 41.21,45.48 41.24,45.49 41.26,45.52 41.28,45.55 41.29,45.58 41.29,45.59 41.29,46.89 41.29,46.91 41.28,46.94 41.26,46.97 41.24,47 41.21,47.01 41.18,47.02 41.16,47.02 39.66,47.02 39.64,47.02 39.61,47.01 39.58,47 39.56,46.97 39.54,46.94 39.53,46.91 39.53,46.89 35.99,46.89 35.99,47.09 36.04,47.14 42.25,47.14 42.29,47.13 42.32,47.12 42.33,47.1 42.35,47.07 42.35,47.04 42.33,46.95 42.33,45.9 42.34,45.89 42.34,45.86 42.36,45.83 42.38,45.8 42.41,45.79 42.45,45.78 42.46,45.78 43.54,45.78 43.56,45.78 43.59,45.79 43.62,45.8 43.64,45.83 43.66,45.86 43.67,45.89 43.67,45.9 43.67,46.95 43.65,47.04 43.66,47.07 43.67,47.1 43.69,47.12 43.71,47.13 43.94,47.14 43.97,47.15 44.19,47.37 44.19,49.64 44.35,49.64
GND_POWER on TOP: 56.36,80.75 56.36,85.75 56.54,85.93 62.92,85.93 63.17,85.67 63.17,80.64 63.02,80.49 56.62,80.49
GND_POWER on TOP: 1.22,34.54 25.76,34.54 25.76,57.15 1.22,57.15
